# KiCad board MuxPi.kicad_pcb (continued)
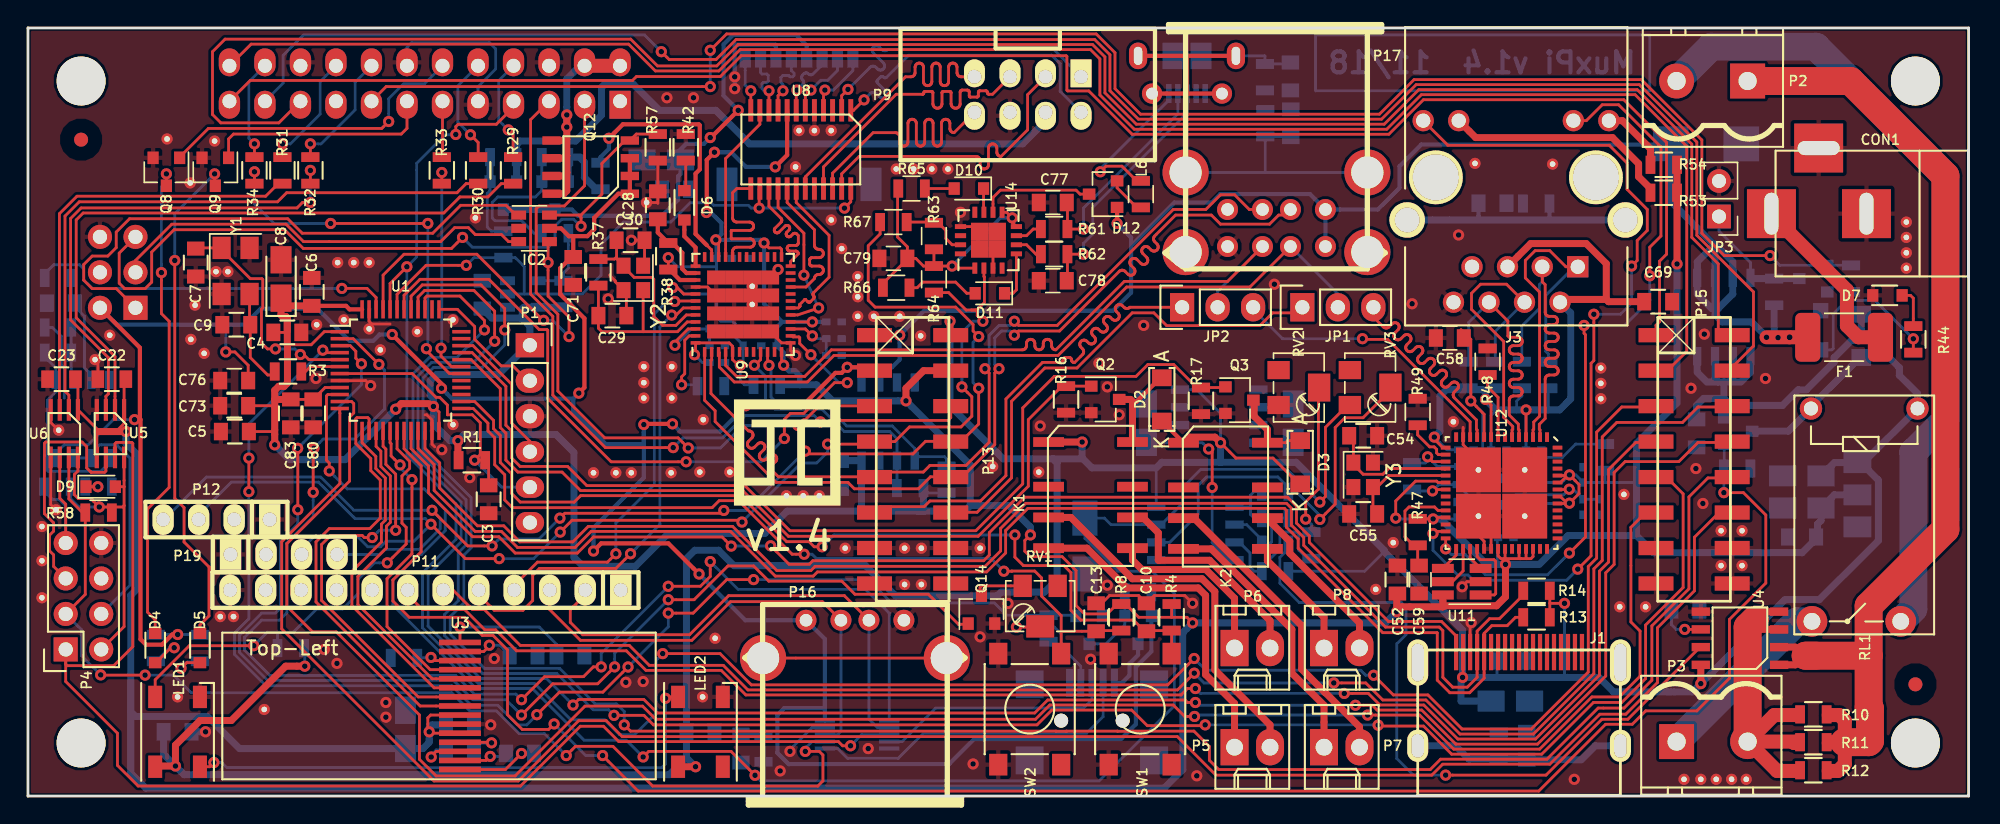
[diagram p0: board, top side]
## Footprints (pads in the part's own frame, mm; a bottom-side part is the same pattern mirrored in y, then rotated) (continued)
  rect 1x1.288 smd: 49(-1.931,1.931) 49(-1.931,0.644) 49(-1.931,-0.644) 49(-1.931,-1.931) 49(-0.644,1.931) 49(-0.644,0.644) 49(-0.644,-0.644) 49(-0.644,-1.931) 49(0.644,1.931) 49(0.644,0.644) 49(0.644,-0.644) 49(0.644,-1.931) 49(1.931,1.931) 49(1.931,0.644) 49(1.931,-0.644) 49(1.931,-1.931)
QFN_56
  rect 6.62x6.62 smd: (0,0)
  rect 0.69x0.28 smd: 1(-4,3.25) 2(-4,2.75) 3(-4,2.25) 4(-4,1.75) 5(-4,1.25) 6(-4,0.75) 7(-4,0.25) 8(-4,-0.25) 9(-4,-0.75) 10(-4,-1.25) 11(-4,-1.75) 12(-4,-2.25) 13(-4,-2.75) 14(-4,-3.25) 29(4,-3.25) 30(4,-2.75) 31(4,-2.25) 32(4,-1.75) 33(4,-1.25) 34(4,-0.75) 35(4,-0.25) 36(4,0.25) 37(4,0.75) 38(4,1.25) 39(4,1.75) 40(4,2.25) 41(4,2.75) 42(4,3.25)
  rect 0.28x0.69 smd: 15(-3.25,-4) 16(-2.75,-4) 17(-2.25,-4) 18(-1.75,-4) 19(-1.25,-4) 20(-0.75,-4) 21(-0.25,-4) 22(0.25,-4) 23(0.75,-4) 24(1.25,-4) 25(1.75,-4) 26(2.25,-4) 27(2.75,-4) 28(3.25,-4) 43(3.25,4) 44(2.75,4) 45(2.25,4) 46(1.75,4) 47(1.25,4) 48(0.75,4) 49(0.25,4) 50(-0.25,4) 51(-0.75,4) 52(-1.25,4) 53(-1.75,4) 54(-2.25,4) 55(-2.75,4) 56(-3.25,4)
  round 1.07 hole 0.4: 57(-1.655,1.655) 57(-1.655,-1.655) 57(1.655,1.655) 57(1.655,-1.655)
  rect 3.21x3.21 smd: 57(-1.655,1.655) 57(-1.655,-1.655) 57(1.655,1.655) 57(1.655,-1.655)
R_0805
  rect 0.7x1.3 smd: 1(-0.95,0) 2(0.95,0)
Relay_SPST-NO_FUJITSU-JV
  round 1.6 hole 1: 1(0,0) 4(0,7.62)
  round 2.2 hole 1.2: 2(15.24,0.07) 3(15.24,6.42)
RJ45_TRAFO_LEDS
  rect 1.524x1.524 hole 1.016: 1(0,0)
  round 1.524 hole 1.016: 2(1.27,2.54) 3(2.54,0) 4(3.81,2.54) 5(5.025,0) 6(6.35,2.54) 7(7.565,0) 8(8.89,2.54) GA(8.515,-10.46) GK(11.055,-10.46) YA(-2.225,-10.46) YK(0.315,-10.46)
  round 2.54 hole 1.778: 13(-3.4,-3.35) 13(12.2,-3.35)
  round 3.851 hole 3.302: Hole(-1.3,-6.4) Hole(10.15,-6.4)
Socket_Strip_Straight_1x03
  rect 1.727x2.032 hole 1.016: 1(0,0)
  oval 1.727x2.032 hole 1.016: 2(2.54,0) 3(5.08,0)
Socket_Strip_Straight_2x03
  rect 1.727x1.727 hole 1.016: 1(0,0)
  oval 1.727x1.727 hole 1.016: 2(0,-2.54) 3(2.54,0) 4(2.54,-2.54) 5(5.08,0) 6(5.08,-2.54)
Socket_Strip_Straight_2x04
  rect 1.727x1.727 hole 1.016: 1(0,0)
  oval 1.727x1.727 hole 1.016: 2(0,-2.54) 3(2.54,0) 4(2.54,-2.54) 5(5.08,0) 6(5.08,-2.54) 7(7.62,0) 8(7.62,-2.54)
SOIC-8
  rect 0.6x1.31 smd: 1(-1.905,-2.8) 2(-0.635,-2.8) 3(0.635,-2.8) 4(1.905,-2.8) 5(1.905,2.8) 6(0.635,2.8) 7(-0.635,2.8) 8(-1.905,2.8)
SOT-23
  rect 0.9x0.8 smd: 1(-1,0.95) 2(-1,-0.95) 3(1,0)
SOT-23-5
  rect 1.06x0.65 smd: 1(-1.1,0.95) 2(-1.1,0) 3(-1.1,-0.95) 4(1.1,-0.95) 5(1.1,0.95)
SOT-23-6
  rect 1.06x0.65 smd: 1(-1.1,0.95) 2(-1.1,0) 3(-1.1,-0.95) 4(1.1,-0.95) 5(1.1,0) 6(1.1,0.95)
SOT-23-6_Handsoldering
  rect 1.56x0.65 smd: 1(-1.35,0.95) 2(-1.35,0) 3(-1.35,-0.95) 4(1.35,-0.95) 5(1.35,0) 6(1.35,0.95)
SOT-223
  rect 2x1.5 smd: 1(-3.15,2.3) 2(-3.15,0) 3(-3.15,-2.3)
  rect 2x3.8 smd: 4(3.15,0)
SSOP-8
  rect 0.3x1.55 smd: 1(-0.975,-1.7) 2(-0.325,-1.7) 3(0.325,-1.7) 4(0.975,-1.7) 5(0.975,1.7) 6(0.325,1.7) 7(-0.325,1.7) 8(-0.975,1.7)
Sub_SMA
  rect 1.2x1.4 smd: 1(-1.55,0) 2(1.55,0)
SW_SPST_PTS645
  rect 1.55x1.3 smd: 1(-3.975,2.25) 1(3.975,2.25) 2(-3.975,-2.25) 2(3.975,-2.25)
Tantalum_Case-A_EIA-3216-18_Reflow
  rect 1.95x1.5 smd: 1(-1.375,0) 2(1.375,0)
Tantalum_Case-C_EIA-6032-28_Reflow
  rect 2.55x2.5 smd: 1(-2.525,0) 2(2.525,0)
TerminalBlock_XY2500V-D(5.08)
  rect 2.5x2.5 hole 1.3: 1(0,0)
  round 2.5 hole 1.3: 2(5.08,0)
TSSOP-24
  rect 0.35x1.6 smd: 1(-3.575,-2.8) 2(-2.925,-2.8) 3(-2.275,-2.8) 4(-1.625,-2.8) 5(-0.975,-2.8) 6(-0.325,-2.8) 7(0.325,-2.8) 8(0.975,-2.8) 9(1.625,-2.8) 10(2.275,-2.8) 11(2.925,-2.8) 12(3.575,-2.8) 13(3.575,2.8) 14(2.925,2.8) 15(2.275,2.8) 16(1.625,2.8) 17(0.975,2.8) 18(0.325,2.8) 19(-0.325,2.8) 20(-0.975,2.8) 21(-1.625,2.8) 22(-2.275,2.8) 23(-2.925,2.8) 24(-3.575,2.8)
USB_Mini-B_Lumberg_2486_01_Horizontal
  round 1 hole 1 unplated: (-2.2,0) (2.2,0)
  rect 0.5x2 smd: 1(-1.6,2.7) 2(-0.8,2.7) 3(0,2.7) 4(0.8,2.7) 5(1.6,2.7)
  rect 2x2 smd: 6(-4.45,-2.85) 6(-4.45,2.6) 6(4.45,-2.85) 6(4.45,2.6)
usd-attend
  rect 0.8x1.3 smd: 1(0,0) 2(-1.1,0) 3(-2.2,0) 4(-3.3,0) 5(-4.4,0) 6(-5.5,0) 7(-6.6,0) 8(-7.7,0)
  rect 1.5x2.4 smd: 9(-9,9) 9(1.3,9)
vasch_strip_4x2
  rect 1.5x2 hole 1: 1(-3.81,-1.27)
  oval 1.5x2 hole 1: 2(-3.81,1.27) 3(-1.27,-1.27) 4(-1.27,1.27) 5(1.27,-1.27) 6(1.27,1.27) 7(3.81,-1.27) 8(3.81,1.27)
VIA_0408
  round 0.8 hole 0.4: 1(0,0)

## Nets
+3.3VA: C61.1 C63.1 C65.1 C69.1 J3.2 J3.5 L5.2 R50.1 R51.1 R52.1 R55.1 U12.4 U12.9 U12.15
+3V3: C4.1 C5.1 C6.1 C8.1 C22.1 C23.1 C24.1 C36.1 C38.1 C40.1 C42.1 C43.1 C44.1 C50.1 C51.1 C52.1 C62.1 C64.1 C66.1 C67.1 C68.1 C73.1 C74.1 C75.1 C80.1 C83.1 IC1.8 L2.1 L5.1 P1.1 P13.4 R1.1 R4.1 R8.1 R18.1 R38.1 R40.1 R41.1 R47.1 R53.2 R54.2 U1.1 U1.9 U1.24 U1.48 U3.5 U3.7 U5.1 U5.5 U6.1 U7.5 U8.8 U9.12 U9.16 U9.25 U9.34 U9.39 U10.2 U11.6 U12.20 U12.25 U12.35 U12.36 U12.38 U12.39 U12.40 U12.48 U12.49 U12.51 U12.52
+5V: C47.1 C71.1 C76.1 D8.1 D12.1 F1.1 IC2.5 P13.1 P13.3 P16.1 P17.1 P17.5 P18.2 Q6.2 Q11.1 Q11.2 Q11.3 Q12.1 Q12.2 Q12.3 R25.1 R28.1 R36.1 R44.1 R46.1 U2.8 U13.10
/DUT Power Control/-VDD: C82.2 U15.4 U16.5
/Lthor/VBUS: J5.1 Q6.3
/SDMux/VDD_DUT: P9.4 Q5.2 R20.2
GND: C1.2 C2.2 C3.2 C4.2 C5.2 C6.2 C7.2 C8.2 C9.2 C10.2 C11.2 C12.2 C13.2 C18.1 C19.2 C20.2 C21.2 C22.2 C23.2 C24.2 C25.2 C26.2 C27.2 C28.2 C29.2 C30.2 C31.2 C32.2 C33.2 C34.2 C35.2 C36.2 C37.2 C38.2 C39.2 C40.2 C41.2 C42.2 C43.2 C44.2 C45.2 C46.2 C47.2 C48.2 C49.2 C50.2 C51.2 C52.2 C53.2 C54.2 C55.2 C56.2 C57.2 C58.2 C59.2 C60.2 C61.2 C62.2 C63.2 C64.2 C65.2 C66.2 C67.2 C68.2 C69.2 C70.2 C71.2 C72.2 C73.2 C74.2 C75.2 C76.2 C77.2 C78.2 C79.2 C80.2 C82.1 C83.2 CON1.2 CON1.3 D7.1 D8.2 D13.2 IC1.1 IC1.2 IC1.3 IC1.4 IC1.7 IC2.2 J1.17 J2.6 J3.8 J5.5 JP3.2 LED1.3 LED2.3 P1.3 P4.8 P9.6 P10.5 P11.12 P12.1 P13.13 P13.14 P13.15 P14.6 P14.9 P14.14 P14.20 P15.13 P15.14 P15.15 P15.16 P16.4 P17.4 P17.8 P18.6 P19.1 Q1.2 Q2.2 Q3.2 Q8.2 Q9.2 Q10.2 Q13.2 Q14.2 R5.2 R6.2 R9.2 R15.2 R16.2 R17.2 R22.2 R24.2 R35.2 R39.2 R42.2 R43.2 R45.2 R48.1 R49.1 R56.2 R57.2 R60.2 RV2.3 SW1.1 SW2.1 U1.8 U1.23 U1.47 U2.4 U3.6 U4.5 U5.4 U6.4 U6.5 U7.3 U8.5 U8.20 U9.13 U9.40 U9.49 U10.1 U11.2 U12.13 U12.33 U12.34 U12.57 U13.5 U13.9 U14.3 U14.13 U14.17 U15.5 U16.3 V1.1 V1#2.1 V1#3.1 V1#4.1 V1#5.1 V1#6.1 V1#7.1 V1#8.1 V1#9.1 V1#10.1 V1#11.1 V1#12.1 V1#13.1 V1#14.1 V1#15.1 V1#16.1 V1#17.1 V1#18.1 V1#19.1 V1#20.1 V1#21.1 V1#22.1 V1#23.1 V1#24.1 V1#25.1 V1#26.1 V1#27.1 V1#28.1 V1#29.1 V1#30.1 V1#31.1 V1#32.1 V1#33.1 V1#34.1 V1#35.1 V1#36.1 V1#37.1 V1#38.1 V1#39.1 V1#40.1 V1#41.1 V1#42.1 V1#43.1 V1#44.1 V1#45.1 V1#46.1 V1#47.1 V1#48.1 V1#49.1 V1#50.1 V1#51.1 V1#52.1 V1#53.1 V1#54.1 V1#55.1 V1#56.1 V1#57.1 V1#58.1 V1#59.1 V1#60.1 V1#61.1 V1#62.1 V1#63.1 V1#64.1 V1#65.1 V1#66.1 V1#67.1 V1#68.1 V1#69.1 V1#70.1 V1#71.1 V1#72.1 V1#73.1 V1#74.1 V1#75.1 V1#76.1 V1#77.1 V1#78.1 V1#79.1 V1#80.1 V1#81.1 V1#82.1 V1#83.1 V1#84.1 V1#85.1 V1#86.1 V1#87.1 V1#88.1 V1#89.1 V1#90.1 V1#91.1 V1#92.1 V1#93.1 V1#94.1 V1#95.1 V1#96.1 V1#97.1 V1#98.1 Y1.2 Y1.4 Y2.2 Y2.4 Y3.2 Y3.4
VDD: C1.1 C2.1 C19.1 C20.1 C48.1 C49.1 D1.1 D2.1 D3.1 J1.18 K1.1 K2.1 LED1.1 LED2.1 P13.2 Q11.5 Q11.6 Q11.7 Q11.8 R13.1 R14.1 R59.1 R71.1 RL1.4 U4.8 U10.3 U15.8 U16.8
/DUT Power Control/DUT_PWR_CURRENT: D13.1 RV3.3 U1.10 U15.7
/DUT Power Control/POWER_SW_ON: Q1.1 R9.1 U1.19
/DUT UART/DUT_RX_LS: P4.1 U5.7 U13.3
/DUT UART/DUT_TX_LS: P4.3 R58.2 U6.7 U13.7
/DUT UART/DUT_UART1_CTS: R32.1 U5.3
/DUT UART/DUT_UART1_RTS: R31.1 U6.3
/DUT UART/DUT_UART1_RX: R29.1 U5.2
/DUT UART/DUT_UART1_TX: R30.1 U6.2
/DUT UART/UART_PWM: R7.2 U1.46
/Dynamic Jumpers/DYPER_1: Q2.1 R16.1 U1.32
/Dynamic Jumpers/DYPER_2: Q3.1 R17.1 U1.33
/Ethernet/RX+: J3.4 R52.2 U12.6
/Ethernet/RX-: J3.6 R55.2 U12.5
/Ethernet/TX+: J3.1 R50.2 U12.3
/Ethernet/TX-: J3.3 R51.2 U12.2
/Ethernet/USB_ETH+: JP2.3 U12.12
/Ethernet/USB_ETH-: JP1.3 U12.11
/Hdmi/HDMI_HOT_PLUG: J1.19 U1.20
/Hdmi/HDMI_SCL: J1.15 R13.2 U1.21
/Hdmi/HDMI_SDA: J1.16 R14.2 U1.22
/Lthor/LTHOR_ID: Q14.1 U1.3
/Lthor/LTHOR_SWITCH: U1.2 U13.1
/Lthor/LTHOR_VBUS: Q13.1 R24.1 U1.4
/Lthor/USB_ID: J5.4 RV1.2
/Microcontroller/ADC1: P15.11 U1.11
/Microcontroller/ADC2: P15.12 U1.12
/Microcontroller/NRST: C3.1 P1.5 R1.2 U1.7
/Microcontroller/OLED_~{D/C}: U1.13 U3.10
/Microcontroller/OLED_~{RES}: U1.16 U3.9
/Microcontroller/PI_GPIO_1: P14.7 P15.5 U1.44
/Microcontroller/SOCKET_SEL: R76.2 U1.43 U7.2 U8.14 U8.24
/Microcontroller/SPI1_MOSI: U1.17 U3.12
/Microcontroller/SPI1_NSS: U1.14 U3.8
/Microcontroller/SPI1_SCK: U1.15 U3.11
/Microcontroller/ST_GPIO_1: P15.8 U1.39
/Microcontroller/ST_GPIO_2: P15.9 U1.40
/Microcontroller/ST_GPIO_3: P15.10 U1.41
/Microcontroller/ST_USART1_RX: R33.1 U1.31
/Microcontroller/ST_USART1_TX: R34.1 U1.30
/Microcontroller/SWCLK: P1.2 U1.37
/Microcontroller/SWDIO: P1.4 U1.34
/Microcontroller/TIM1_CH1: LED1.4 R59.2 U1.18
/Microcontroller/USER_BUTTON1: C10.1 R4.2 SW1.2 U1.26
/Microcontroller/USER_BUTTON2: C13.1 R8.2 SW2.2 U1.25
/Microcontroller/WD_RESET: IC2.4 U1.45
/Microcontroller/~{SD_CD_TS}: U1.42 U9.14
/NanoPi/I2C0_SCL: P13.6 P14.5
/NanoPi/I2C0_SDA: P13.5 P14.3
/NanoPi/PI_GPIO_2: P11.6 P15.6
/NanoPi/PI_GPIO_3: P11.7 P15.7
/NanoPi/PI_PWR: P14.2 P14.4 Q12.5 Q12.6 Q12.7 Q12.8
/NanoPi/PI_UART0_RX: P12.4 P13.8 P19.4 R67.1
/NanoPi/PI_UART0_TX: P12.3 P13.7 P19.3 R64.2 U14.2
/NanoPi/PI_UART1_CTS: P14.18 R31.2
/NanoPi/PI_UART1_RTS: P14.16 R32.2
/NanoPi/PI_UART1_RX: P14.10 R30.2
/NanoPi/PI_UART1_TX: P14.8 R29.2
/NanoPi/PI_UART2_RX: P14.22 R34.2
/NanoPi/PI_UART2_TX: P14.11 R33.2
/NanoPi/PWR_CTRL: P14.15 Q10.1 R45.1
/NanoPi/SPI0_CLK: P14.23 P15.1
/NanoPi/SPI0_CS: P14.24 P15.3
/NanoPi/SPI0_MISO: P14.21 P15.4
/NanoPi/SPI0_MOSI: P14.19 P15.2
/NanoPi/STATUS_LED1: P14.12 Q8.1
/NanoPi/STATUS_LED2: P14.13 Q9.1
/NanoPi/TPI_CLK: IC2.3 P18.3
/NanoPi/TPI_DATA: IC2.1 P18.1
/NanoPi/TPI_RST: IC2.6 P18.5 Q12.4 R57.1
/NanoPi/USB_A+: JP2.1 P13.11
/NanoPi/USB_A-: JP1.1 P13.12
/NanoPi/USB_B+: P13.9 P17.3 U9.2
/NanoPi/USB_B-: P13.10 P17.2 U9.1
/NanoPi/USB_DUT+: P11.2 P16.3 U13.2
/NanoPi/USB_DUT-: P11.3 P16.2 U13.8
/NanoPi/USB_HUB+: P11.4 U9.42
/NanoPi/USB_HUB-: P11.5 U9.43
/SDMux/CLK_DUT: P9.5 U8.21
/SDMux/CMD_DUT: P9.3 U8.23
/SDMux/DAT0_DUT: P9.7 U8.19
/SDMux/DAT1_DUT: P9.8 U8.22
/SDMux/DAT2_DUT: P9.1 U8.2
/SDMux/DAT3_DUT: P9.2 U8.1
/SDMux/SD_CLK_TS: U8.17 U9.21
/SDMux/SD_CMD_TS: U8.15 U9.24
/SDMux/SD_DAT0_TS: U8.18 U9.18
/SDMux/SD_DAT1_TS: U8.16 U9.17
/SDMux/SD_DAT2_TS: U8.11 U9.33
/SDMux/SD_DAT3_TS: U8.13 U9.32
/SDMux/SD_PWR_TS: L1.1 Q4.2 R19.2
/SDMux/USD_VDD: C25.1 C26.1 J2.4 Q4.3 Q5.3
/USB HUB & SD Reader/USB_A+: JP2.2 P17.7 U9.4
/USB HUB & SD Reader/USB_A-: JP1.2 P17.6 U9.3
Net-(C7-Pad1): C7.1 U1.5 Y1.1
Net-(C9-Pad1): C9.1 R3.1 Y1.3
Net-(C11-Pad1): C11.1 U3.15
Net-(C12-Pad1): C12.1 U3.14
Net-(C14-Pad1): C14.1 U3.2
Net-(C14-Pad2): C14.2 U3.1
Net-(C15-Pad1): C15.1 U3.4
Net-(C15-Pad2): C15.2 U3.3
Net-(C18-Pad2): C18.2 U4.6
Net-(C21-Pad1): C21.1 J1.SHLD R15.1
Net-(C27-Pad1): C27.1 P16.5 R35.1
Net-(C28-Pad1): C28.1 R38.2 U9.38
Net-(C29-Pad1): C29.1 R37.2 U9.45 Y2.1
Net-(C30-Pad1): C30.1 R37.1 U9.44 Y2.3
Net-(C31-Pad1): C31.1 C32.1 U9.46
Net-(C33-Pad1): C33.1 C34.1 U9.15
Net-(C35-Pad1): C35.1 C37.1 C39.1 C41.1 L2.2 U9.5 U9.41 U9.48
Net-(C45-Pad1): C45.1 P17.9 R43.1
Net-(C46-Pad1): C46.1 R7.1 U2.3
Net-(C53-Pad1): C53.1 C56.1 C57.1 L3.2 L4.2 U12.21 U12.50
Net-(C54-Pad1): C54.1 U12.18 Y3.1
Net-(C55-Pad1): C55.1 U12.19 Y3.3
Net-(C58-Pad1): C58.1 L3.1 U12.10
Net-(C59-Pad1): C59.1 R47.2 U12.24
Net-(C60-Pad1): C60.1 L4.1 U12.17
Net-(C70-Pad1): C70.1 J3.13 R56.1
Net-(C72-Pad1): C72.1 P10.6 R60.1
Net-(C77-Pad1): C77.1 P10.2 R61.2
Net-(C78-Pad1): C78.1 P10.3 R62.2
Net-(C79-Pad1): C79.1 R63.1 R64.1 R65.1 R66.1 U14.1 U14.8 U14.9
Net-(C81-Pad1): C81.1 U16.2
Net-(C81-Pad2): C81.2 U16.4
Net-(CON1-Pad1): CON1.1 F1.2
Net-(D1-Pad2): D1.2 Q1.3 RL1.1
Net-(D2-Pad2): D2.2 K1.8 Q2.3
Net-(D3-Pad2): D3.2 K2.8 Q3.3
Net-(D4-Pad1): D4.1 Q8.3
Net-(D4-Pad2): D4.2 R28.2
Net-(D5-Pad1): D5.1 Q9.3
Net-(D5-Pad2): D5.2 R36.2
Net-(D6-Pad1): D6.1 R42.1
Net-(D6-Pad2): D6.2 U9.37
Net-(D7-Pad2): D7.2 R44.2
Net-(D9-Pad1): D9.1 R6.1
Net-(D9-Pad2): D9.2 P4.2 R27.1 R58.1 U5.8 U6.8
Net-(D10-Pad1): D10.1 U14.11
Net-(D10-Pad2): D10.2 R65.2
Net-(D11-Pad1): D11.1 U14.5
Net-(D11-Pad2): D11.2 R66.2
Net-(D12-Pad2): D12.2 L6.2
Net-(D12-Pad3): D12.3 U14.10
Net-(IC1-Pad5): IC1.5 R40.2 U9.10
Net-(IC1-Pad6): IC1.6 R41.2 U9.9
Net-(J1-Pad1): J1.1
Net-(J1-Pad2): J1.2
Net-(J1-Pad3): J1.3
Net-(J1-Pad4): J1.4
Net-(J1-Pad5): J1.5
Net-(J1-Pad6): J1.6
Net-(J1-Pad7): J1.7
Net-(J1-Pad8): J1.8
Net-(J1-Pad9): J1.9
Net-(J1-Pad10): J1.10
Net-(J1-Pad11): J1.11
Net-(J1-Pad12): J1.12
Net-(J1-Pad13): J1.13
Net-(J1-Pad14): J1.14
Net-(J2-Pad1): J2.1 U8.4
Net-(J2-Pad2): J2.2 U8.6
Net-(J2-Pad3): J2.3 U8.7
Net-(J2-Pad5): J2.5 U8.9
Net-(J2-Pad7): J2.7 U8.10
Net-(J2-Pad8): J2.8 U8.12
Net-(J3-PadGA): J3.GA R53.1
Net-(J3-PadGK): J3.GK U12.27
Net-(J3-PadYA): J3.YA R54.1
Net-(J3-PadYK): J3.YK U12.28
Net-(J5-Pad2): J5.2 U13.6
Net-(J5-Pad3): J5.3 U13.4
Net-(J5-Pad6): J5.6
Net-(JP3-Pad1): JP3.1 Q10.3 Q11.4 R46.2
Net-(K1-Pad2): K1.2
Net-(K1-Pad3): K1.3 P5.2
Net-(K1-Pad4): K1.4 P5.1
Net-(K1-Pad5): K1.5 P6.1
Net-(K1-Pad6): K1.6 P6.2
Net-(K1-Pad7): K1.7
Net-(K2-Pad2): K2.2
Net-(K2-Pad3): K2.3 P7.2
Net-(K2-Pad4): K2.4 P7.1
Net-(K2-Pad5): K2.5 P8.1
Net-(K2-Pad6): K2.6 P8.2
Net-(K2-Pad7): K2.7
Net-(L1-Pad2): L1.2 U9.35
Net-(L6-Pad1): L6.1 P10.1
Net-(LED1-Pad2): LED1.2 LED2.4
Net-(LED2-Pad2): LED2.2
Net-(P1-Pad6): P1.6
Net-(P2-Pad1): P2.1 R10.2 R11.2 R12.2 U4.1 U4.2
Net-(P2-Pad2): P2.2 RL1.3
Net-(P3-Pad1): P3.1 RL1.2
Net-(P3-Pad2): P3.2 R10.1 R11.1 R12.1 U4.3 U4.4
Net-(P4-Pad4): P4.4 U2.6 U2.7
Net-(P4-Pad5): P4.5 U5.6
Net-(P4-Pad6): P4.6
Net-(P4-Pad7): P4.7 R27.2 U6.6
Net-(P10-Pad4): P10.4
Net-(P11-Pad1): P11.1
Net-(P11-Pad8): P11.8
Net-(P11-Pad9): P11.9
Net-(P11-Pad10): P11.10
Net-(P11-Pad11): P11.11
Net-(P12-Pad2): P12.2
Net-(P13-Pad16): P13.16
Net-(P14-Pad1): P14.1
Net-(P14-Pad17): P14.17
Net-(P18-Pad4): P18.4
Net-(P19-Pad2): P19.2
Net-(Q4-Pad1): Q4.1 R19.1 R75.1
Net-(Q5-Pad1): Q5.1 R20.1 R76.1
Net-(Q13-Pad3): Q6.1 Q13.3 R25.2
Net-(Q14-Pad3): Q14.3 RV1.3
Net-(R3-Pad2): R3.2 U1.6
Net-(R5-Pad1): R5.1 U3.13
Net-(R18-Pad2): R18.2 R75.2 U7.4
Net-(R22-Pad1): R22.1 R23.2 U2.2
Net-(R23-Pad1): R23.1 U2.1 U2.5
Net-(R39-Pad1): R39.1 U9.47
Net-(R48-Pad2): R48.2 U12.8
Net-(R49-Pad2): R49.2 U12.16
Net-(R61-Pad1): R61.1 U14.7
Net-(R62-Pad1): R62.1 U14.6
Net-(R63-Pad2): R63.2 R67.2 U14.15
Net-(R70-Pad1): R70.1 R74.2 U15.2
Net-(R70-Pad2): R70.2 U4.7
Net-(R71-Pad2): R71.2 R72.1 U15.3
Net-(R72-Pad2): R72.2 RV2.2
Net-(R74-Pad1): R74.1 R78.1 U15.1
Net-(R78-Pad2): R78.2 RV3.2 U15.6
Net-(RV1-Pad1): RV1.1
Net-(RV2-Pad1): RV2.1
Net-(RV3-Pad1): RV3.1
Net-(U1-Pad27): U1.27
Net-(U1-Pad28): U1.28
Net-(U1-Pad29): U1.29
Net-(U1-Pad35): U1.35
Net-(U1-Pad36): U1.36
Net-(U1-Pad38): U1.38
Net-(U8-Pad3): U8.3
Net-(U9-Pad6): U9.6
Net-(U9-Pad7): U9.7
Net-(U9-Pad8): U9.8
Net-(U9-Pad11): U9.11
Net-(U9-Pad19): U9.19
Net-(U9-Pad20): U9.20
Net-(U9-Pad22): U9.22
Net-(U9-Pad23): U9.23
Net-(U9-Pad26): U9.26
Net-(U9-Pad27): U9.27
Net-(U9-Pad28): U9.28
Net-(U9-Pad29): U9.29
Net-(U9-Pad30): U9.30
Net-(U9-Pad31): U9.31
Net-(U9-Pad36): U9.36
Net-(U11-Pad1): U11.1 U12.32
Net-(U11-Pad3): U11.3 U12.31
Net-(U11-Pad4): U11.4 U12.29
Net-(U11-Pad5): U11.5 U12.30
Net-(U12-Pad1): U12.1
Net-(U12-Pad7): U12.7
Net-(U12-Pad14): U12.14
Net-(U12-Pad22): U12.22
Net-(U12-Pad23): U12.23
Net-(U12-Pad26): U12.26
Net-(U12-Pad37): U12.37
Net-(U12-Pad41): U12.41
Net-(U12-Pad42): U12.42
Net-(U12-Pad43): U12.43
Net-(U12-Pad44): U12.44
Net-(U12-Pad45): U12.45
Net-(U12-Pad46): U12.46
Net-(U12-Pad47): U12.47
Net-(U12-Pad53): U12.53
Net-(U12-Pad54): U12.54
Net-(U12-Pad55): U12.55
Net-(U12-Pad56): U12.56
Net-(U14-Pad4): U14.4
Net-(U14-Pad12): U14.12
Net-(U14-Pad14): U14.14
Net-(U14-Pad16): U14.16
Net-(U16-Pad1): U16.1
Net-(U16-Pad6): U16.6
Net-(U16-Pad7): U16.7

Pads without a net: J2 9; J3 7 Hole; REF**#5 ~; REF**#6 ~; REF**#7 ~; REF**#8 ~; U7 1; U10 4

## Via types
v1: diameter 0.8, hole 0.4, Top to Bottom, 293 vias

## Routing (per net, layer and track width the routed paths; a pad name or vN(x,y) marks a point on that pad's centre or on a via; arc(x,y) is an arc through that point)
+3.3VA: length 62.5
  Top w0.2: U12.9 104.65,28 v1(104.25,28.4) ; U12.15 101.19,24.95 100.59,25.56 v1(100.59,25.7) ; U12.4 v1(107.15,27.65)
  Top w0.5: C69.1 113.05,35.4 112.89,35.56 ; J3.5 107.49,39.56 111.45,39.56 112.89,38.12 112.89,35.56 ; 112.89,35.56 109.78,35.56 J3.2
  Bottom w0.2: v1(107.15,27.65) C61.1 107.2,24.8 107.75,24.25 109.75,24.25 110.7,25.2 L5.2 ; 104.25,28.9 104.55,29.2 R52.1 ; 105,27.65 105,27.6 104.65,27.25 C63.1 ; 108.72,27.65 108.75,27.68 R50.1 ; C65.1 101.49,24.8 v1(100.59,25.7) ; 106.47,27.65 106.47,28.28 106.85,28.65 R51.1
  Bottom w0.5: J3.2 110.34,34.6 110.34,28.44 109.55,27.65 v1(107.15,27.65) 105,27.65 v1(104.25,28.4) 104.25,28.9 104.05,29.1 101.45,29.1 100.99,28.64 100.99,26.1 v1(100.59,25.7)
+3V3: length 516
  Top w0.2: U3.7 28.8,5.8 28.6,5.6 28.6,4.7 ; 28.6,4.7 v1(28.7,4.6) ; 28.6,4.7 28.8,4.5 U3.5 ; 105.64,17 105.65,17 U12.36 ; 105.64,17 106.81,17 ; 105.64,17 105.35,17 105.15,17.2 U12.35 ; U1.1 21.19,33.25 20.26,32.31 18.56,32.31 18.55,32.3 ; v1(110.25,20.97) 110.08,20.97 109.61,21.45 U12.49 ; v1(110.25,20.97) 110.94,21.66 110.94,22.31 110.66,22.59 110.66,22.6 v1(110.26,23) ; v1(110.25,20.97) 110.23,20.95 U12.48 ; 17.65,27.85 17.55,27.95 C73.1 ; U1.9 21.25,29.25 C80.1 C83.1 ; U9.25 53.9,39.15 53.8,39.25 53,39.25 v1(52.65,39.6) ; v1(49.2,39.83) 49.4,39.63 U9.34 ; C4.1 18.45,33.2 18.55,33.3 ; v1(71.7,18.7) 71.3,18.3 71.3,17.53 71.69,17.14 73.97,17.14 74.96,16.15 74.96,13.65 75.57,13.04 77.19,13.04 77.9,13.75 R8.1 78.5,13.75 79.45,12.8 81.8,12.8 ; 107.2,17 107.15,17 U12.39 ; 107.2,17 107.5,17 107.65,17.15 U12.40 ; 107.2,17 106.81,17 ; 28.67,28.1 28.8,28.1 v1(29,27.9) 29.4,27.5 U1.24 29.4,26.68 ; 81.8,12.8 R4.1 ; 81.8,12.8 82.9,12.8 v1(83.3,12.4) ; 106.81,17 106.7,17 106.65,17.05 U12.38 ; U12.20 100.86,22.45 100.75,22.55 99.25,22.55 97.83,21.13 v1(97.83,19.9) ; v1(45.8,38.55) R38.1 ; C23.1 3.57,29.68 U6.1 5.07,26.15 6.35,26.15 6.88,26.68 U5.1 6.88,29.72 C22.1 ; 110.33,22.9 110.26,22.97 v1(110.26,23) ; U12.52 110.21,22.95 v1(110.26,23) ; U9.12 53.9,31 v1(54.05,30.85) ; v1(110.26,23) 110.15,23 109.61,22.45 U12.51 ; 17.65,26.2 17.55,26.1 C5.1 ; 105.68,16.96 v1(105.68,16.59) ; R47.1 100.5,19.85 v1(100.5,19.84) 100.61,19.95 U12.25 ; 18.65,35.1 C8.1 ; U5.5 4.93,26.12 4.95,26.15 ; U9.16 v1(56.1,33.95)
  Top w0.3: U8.8 54.3,45.9 v1(53.45,45.05) ; 28.26,28.1 26.8,28.1 ; U9.39 46.63,36.95 45.88,37.7 R38.1 ; U1.48 23,34.85 22.75,35.1 C6.1 ; v1(105.68,16.59) 105.64,16.62 105.64,17 ; v1(49.1,46.1) 48.55,45.55 48.55,41.81 v1(48.53,41.79)
  Top w0.5: 28.67,28.1 26.7,28.1 v1(26.3,27.7) ; C8.1 18.1,34.45 18.22,34.33 18.46,34.33 18.55,34.24 ; 18.55,34.24 18.55,32.3 18.56,32.29 18.56,29.57 18.33,29.34 17.94,29.34 17.65,29.05 17.65,28.4 ; 18.55,34.24 18.55,33.3 ; U11.6 101.2,13.55 ; C6.1 18.65,35.1 ; 4.95,26.1 v1(7.01,26.1) ; C83.1 17.65,28.4 ; 101.2,13.55 101.27,13.62 105.04,13.62 105.68,14.27 v1(105.68,16.59) ; 101.2,13.55 98.25,13.55 v1(97.9,13.2) 97.9,14.45 C52.1 97.95,14.45 ; 17.65,28.4 v1(17.65,25.15) ; v1(62.8,28.3) 62.8,29.2 64.06,30.46 P13.4 ; R54.2 R53.2 v1(117.95,38.1) ; R1.1 30.75,24.1 v1(30.75,25.45)
  Bottom w0.2: C67.1 109.71,22.45 v1(110.26,23) 110.7,23 111.2,22.5 C68.1 112.8,22.45 ; v1(100.5,19.84) 97.89,19.84 v1(97.83,19.9) ; C42.1 49.25,37.9 ; 49.25,37.9 C43.1 ; 49.25,37.9 46.45,37.9 v1(45.8,38.55) ; 49.25,39.78 v1(49.2,39.83) ; R41.1 64.4,21.7 R40.1 ; C66.1 110.23,20.95 v1(110.25,20.97) ; 112.8,22.45 115,22.45 115.05,22.5 ; 112.8,22.45 L5.1 ; v1(105.68,16.59) 105.67,16.6 105.15,16.6 105.1,16.65 105.1,18.5 ; 101.07,19.84 102.24,19.84 102.33,19.93
  Bottom w0.3: 53.95,33.95 52.65,35.25 C40.1 v1(52.65,39.6) 52.42,39.83 v1(49.2,39.83) 49.6,40.23 49.6,41.03 48.85,41.79 v1(48.53,41.79) ; 53.95,33.95 53.55,33.55 C38.1 54.05,31.75 v1(54.05,30.85) ; 53.95,33.95 v1(56.1,33.95) C36.1 ; v1(53.45,45.05) 51.35,45.05 50.3,46.1 v1(49.1,46.1) ; 54.05,29.6 54.2,29.45 ; C42.1 49.25,39.78
  Bottom w0.4: v1(54.05,30.85) 54.45,30.45 54.85,30.45 55.2,30.1 55.2,29.45
  Bottom w0.5: 63.65,20.4 67,20.4 67.4,20.8 ; 63.65,20.4 60.7,20.4 ; 63.65,20.4 64.1,20.4 64.05,20.45 R41.1 ; v1(117.95,38.1) 117.95,28.15 115.05,25.25 ; 114.85,18.65 115.05,18.85 115.05,25.25 ; 114.85,18.65 115.05,18.65 116.28,17.43 126.9,17.43 128,18.53 128,19.47 128.25,19.72 C51.1 129.2,21.57 U10.2 ; 114.85,18.65 110.15,18.65 108.09,16.59 v1(105.68,16.59) 104.32,16.59 101.07,19.84 v1(100.5,19.84) ; 60.7,20.4 54.3,20.4 52.7,18.8 45.8,18.8 43.45,16.45 39.7,16.45 39.05,17.1 39.05,24.6 37.76,25.89 31.19,25.89 v1(30.75,25.45) 30.18,25.45 29,26.63 v1(29,27.9) 29,28.47 28.77,28.7 28.77,29.73 29.22,30.18 33.65,30.18 35.75,32.28 P1.1 35.9,33.64 35.32,34.22 35.19,34.22 ; 60.7,20.4 59.62,20.4 IC1.8 58.12,24.02 C44.1 ; 7.35,6.05 7.35,1.65 8.43,0.57 81.27,0.57 82.6,1.9 82.6,11.7 v1(83.3,12.4) 97.1,12.4 v1(97.9,13.2) ; 7.35,6.05 7.35,14.37 7.85,14.87 7.85,24.42 7.01,25.26 v1(7.01,26.1) ; 7.35,6.05 7.7,5.7 12.83,5.7 15.13,3.4 C75.1 28.25,3.4 28.7,3.85 v1(28.7,4.6) 28.7,4.9 28.9,5.1 C74.1 ; v1(71.7,18.7) 71.7,19.27 70.17,20.8 67.4,20.8 ; 35.19,34.22 35.35,34.38 35.35,34.88 35.47,35 U7.5 R18.1 ; 35.19,34.22 33.18,34.22 C24.1 ; 54.2,29.45 56.4,29.45 57.55,28.3 v1(62.8,28.3) 67.4,23.7 67.4,20.8 ; v1(17.65,25.15) 18.71,24.09 22.69,24.09 v1(26.3,27.7) ; 115.05,25.25 115.05,22.9
+5V: length 341.4
  Top w0.2: v1(7.62,26.95) 7.96,26.95 8,27 ; v1(14.15,31.8) 14.8,31.8 15.75,30.85 C76.1 ; R44.1 v1(134.85,32.74) ; Q12.2 Q12.3
  Top w0.3: P18.2 8,32.11 8,27 8.05,26.95 8.05,11.23 8.44,10.84 9.59,10.84 10.32,11.57 v1(10.71,11.57) ; 39,40.09 40.01,40.09 40.5,40.58 40.5,41.4 42.23,43.13 Q12.1 Q12.3 ; 39,40.09 C71.1 38.88,38.6 38.06,37.79 38.06,35.94 39.8,34.2 39.8,29.25 v1(39.4,28.85) ; 39,40.09 38.69,40.09 38.13,40.65 IC2.5 ; P13.1 v1(62.35,33) ; v1(29.58,29.2) 29.58,29.52 v1(26.05,33.05) ; D12.1 v1(77.9,41) ; 39.35,38.6 39.23,38.6 ; v1(51.35,27.95) 51.45,27.85 55.3,27.85 57.75,30.3 58.2,30.3 v1(58.6,30.7) 60.31,30.7 P13.3 ; v1(46.1,26.65) 44.1,26.65 v1(44.05,26.6) ; v1(40.45,17.54) 41,18.1 45.8,18.1 v1(48,15.9)
  Top w1: F1.1 v1(124.35,32.85)
  Bottom w0.2: v1(14.15,31.8) 14.15,33.7 14.1,33.75 ; v1(7.62,26.95) 6.1,26.95 4.3,25.15 2.59,25.15 2,24.56 2,24.2 ; 12.3,11.5 12.23,11.57 v1(10.71,11.57) 9.17,11.57 R28.1 ; D8.1 129.03,31.95 129.12,32.05 129.12,34.53 130.09,35.49 132.1,35.49 v1(134.85,32.74)
  Bottom w0.3: P17.1 96.55,42 98.1,43.55 98.1,45.1 99.65,46.65 117.35,46.65 ; P17.1 91.7,43.1 85.27,43.1 84.67,42.5 82,42.5 78.9,39.4 ; P17.1 P17.5 ; v1(48,15.9) 51.31,12.59 P16.1 57,11.24 57,6.3 ; 78.9,39.4 78.9,36.05 77.6,34.75 64.1,34.75 v1(62.35,33) 62.35,31.25 61.8,30.7 v1(58.6,30.7) ; 78.9,39.4 78.9,40 v1(77.9,41) ; v1(51.35,27.95) 49.5,26.1 46.65,26.1 v1(46.1,26.65) ; 80.35,14.3 R25.1 Q6.2 80.35,10.36 79.24,9.25 79.24,5.14 78.19,4.09 67.69,4.09 65.89,2.29 54.41,2.29 53.6,3.1 53.6,5.8 54.1,6.3 57,6.3 ; 57,6.3 U13.10 ; 44.05,26.03 44.05,25.2 41.32,25.2 39,27.52 39,28.45 ; 44.05,26.03 44.05,22.8 40.45,19.2 v1(40.45,17.54) ; 44.05,26.03 v1(44.05,26.6) ; P18.2 6.36,33.75 15.5,33.75 16.65,34.9 20.7,34.9 23,32.6 24.7,32.6 25.15,33.05 v1(26.05,33.05) ; 39,28.45 30.33,28.45 v1(29.58,29.2) ; 39,28.45 v1(39.4,28.85)
  Bottom w0.5: C47.1 117.5,42.57 120.65,39.43 120.65,39.35 ; 120.66,34.91 120.65,34.9 ; 120.66,34.91 120.43,34.91 119.4,35.94 Q11.1 119.4,37.46 119.4,37.46 119.4,38.25 120.65,39.5 120.7,39.5 ; 120.66,34.91 120.91,34.91 121.94,35.94 Q11.3 121.94,38.25 120.7,39.49 120.7,39.5 ; 120.66,34.91 120.66,39.47 120.7,39.5 ; D8.1 127.32,32.85 v1(126,32.85) ; R46.1 124.9,32.88 ; 124.9,32.88 126.15,32.88 ; 124.9,32.88 124.35,32.88 123.28,33.95 121.18,33.95 120.68,34.45 120.68,34.75
  vias: v1(125.18,32.82)
/DUT Power Control/-VDD: length 13.6
  Top w0.2: v1(84.7,22.1) 84.7,24.6 v1(84.45,24.85)
  Bottom w0.2: C82.2 80.03,25.29 U16.5 84,25.29 v1(84.45,24.85) ; U15.4 85.94,16.9 84.7,18.14 v1(84.7,22.1)
/Lthor/VBUS: length 3.8
  Bottom w0.3: Q6.3 79.4,10.1 78.78,9.48 78.78,8.63 78.25,8.1 J5.1
/SDMux/VDD_DUT: length 46.5
  Bottom w0.5: Q5.2 R20.2 34.95,46.65 35.2,46.9 39.16,46.9 41.02,48.76 41.02,50.74 41.23,50.95 43.32,50.95 45.17,49.1 49.2,49.1 51.6,46.7 71.15,46.7 72.78,48.33 P9.4
GND: length 86.2
  Top w0.2: v1(103.22,12.42) 103.15,12.35 J1.17 ; 4.98,31.18 5,31.16 C22.2 ; 42.8,34.7 C29.2 42.8,36.03 Y2.4 42,36.82 42,36.9 41.6,37.3 ; U14.17 69.03,38.88 U14.3 ; V1#98.1 1.62,20.88 U6.5 ; 28.4,27.3 28.52,27.3 28.9,26.92 U1.23 28.9,25.2 29.1,25 ; U14.13 67.72,40.78 U14.17 ; U12.57 103.75,24.06 102.65,25.16 U12.13 102.65,26.4 ; v1(102.58,14.98) 102.58,15.01 102.92,15.35 U11.2 ; v1(53.65,37.7) U9.49 ; 25.9,33.8 24.6,33.8 24.4,34 U1.47 ; 2.09,26.28 1.62,26.75 U6.4 ; U1.8 24.15,29.75 v1(24.51,29.39) ; U12.33 104.15,18.25 103.75,18.65 U12.57 104.65,19.14 U12.34 ; C13.2 76.8,13.8 77.36,14.36 79.44,14.36 C10.2 80.56,14.36 82.74,14.36 v1(83.3,13.8) ; U9.40 48.61,36.45 U9.49 ; V1#57.1 45,42.5 45.05,42.45 C28.2 R57.2 ; v1(43.16,39.8) C30.2 44.1,38.07 Y2.2 ; U9.49 53.9,32.45 U9.13 54.55,31.9 v1(54.9,31.55) ; 67.95,40.55 68.25,40.25
  Bottom w0.2: v1(54.5,3.2) 54.5,3.33 56.07,4.9 U13.9 ; 90.25,50.35 90.3,50.4 ; 2.6,28.5 2.6,30.68 2.39,30.89 2.39,32.91 1.75,33.55 R22.2 ; U12.57 103.75,20.3 102.99,21.05 C62.2 ; P14.14 27.11,53.61 27.45,53.95 33,53.95 33.45,53.5 33.45,52.06 32.2,50.81 32.2,50.7 32.19,50.69 P14.9
  Bottom w0.3: v1(50.55,50.65) v1(50.55,51.5) 50.55,53.73 50.62,53.8 53.45,53.8 53.5,53.75 J2.6 ; 49.8,29.45 49.8,29.15 ; 90.2,50.3 90.3,50.4
  Bottom w0.5: C2.2 v1(12.7,4.6)
  Bottom w1: 127.78,46.7 CON1.3
  vias: v1(20.6,29.9) v1(21.2,10.5) v1(22.1,9.5) v1(25.6,6.7) v1(25.6,5.65) v1(29.6,24.8) v1(31.6,22.8) v1(33.1,5.1) v1(33.35,9.85) v1(41.5,35.6) v1(42.76,8.14) v1(44,8.2) v1(45.7,50) v1(47.6,50) v1(53.8,1.8) v1(60.1,3.4) v1(66.7,41.8) v1(67.6,2.3) v1(68.1,11.4) v1(70.1,13.79) v1(72.4,26.5) v1(76,9.8) v1(76.6,31) v1(77.2,29.3) v1(77.2,15.1) v1(78.05,27.3) v1(79.8,33.7) v1(83.6,1.45) v1(89.15,36.65) v1(99,35.25) v1(102.33,40.18) v1(110.6,1.2) v1(118.95,29.2) v1(119.3,23.45) v1(119.8,20.95) v1(119.9,33.07) v1(124.28,29.9)
VDD: length 300.2
  Top w0.2: 108.85,13.8 R13.1 ; 108.85,13.8 v1(109.9,13.8) ; 108.85,13.8 R14.1 ; v1(102.61,8.5) 102.65,8.54 J1.18 ; D3.1 90.9,22.35 89.05,24.2 86.4,24.2 v1(85.3,25.3)
  Top w0.3: D2.1 K2.1
  Top w0.5: LED1.1 9.15,2.15 v1(10.55,2.15) 10.55,3.65 12.31,5.41 14.54,5.41 18.43,9.3 v1(19.8,9.3) ; v1(75.4,25.35) K1.1 ; K2.1 83.05,25.7 84.9,25.7 v1(85.3,25.3) ; v1(119.65,8.05) U4.8 ; P13.2 65.95,33.05 v1(65.95,34) ; v1(47.75,2.1) LED2.1
  Bottom w0.2: 97,17.5 95.6,16.1 R71.1 ; U15.8 80.7,23.5 ; 110.1,8.5 109.9,8.7 v1(109.9,13.8) ; v1(19.8,9.3) 19.8,10.55 R59.1 ; v1(85.3,25.3) 85.3,27.4 83.59,29.1 U16.8 ; C19.1 105.08,8.5
  Bottom w0.5: 131.12,33.4 131.12,33.33 ; 131.12,33.4 D1.1 ; 131.12,33.4 131.12,32.63 ; 47.1,2.75 v1(47.75,2.1) ; 47.1,2.75 C1.1 47.1,17 47.7,17.6 49.4,17.6 50.5,16.5 59.9,16.5 62.06,14.34 69.34,14.34 69.6,14.6 72.7,14.6 73.61,15.51 73.61,23.84 73.3,24.15 ; 47.1,2.75 45.88,1.53 11.17,1.53 v1(10.55,2.15) 9.7,3 C2.1 ; v1(65.95,34) 65.95,27.95 69.75,24.15 73.3,24.15 ; U10.3 130.1,23.88 ; U10.3 129.2,23.88 C49.1 ; U10.3 131.1,23.88 132.35,22.62 132.35,18.29 128.12,14.06 125.66,14.06 v1(119.65,8.05) 119.06,7.46 113.4,7.46 112.37,8.5 v1(102.61,8.5) ; U10.3 131.28,23.88 RL1.4 135.15,28.82 133.85,30.12 133.85,30.68 131.9,32.63 131.12,32.63 ; 121.3,28.47 121.8,27.97 125.5,27.97 126.61,29.09 127.2,29.09 129.19,31.07 129.19,31.39 130.43,32.63 131.12,32.63 ; 121.3,28.47 121.3,29.65 ; 121.3,28.47 119.85,28.47 119.35,27.97 C48.1 ; 85.3,23.9 81.1,23.9 80.7,23.5 76.1,23.5 75.45,24.15 ; 85.3,23.9 90.7,23.9 97,17.6 97,17.5 102.61,11.89 v1(102.61,8.5) ; 85.3,23.9 v1(85.3,25.3) ; 121.3,29.65 121.7,29.65 ; 121.3,29.65 120.9,29.65 ; 121.7,29.65 121.94,29.88 Q11.6 ; 121.7,29.65 122.51,29.65 123.21,30.34 Q11.5 ; v1(102.61,8.5) 102.5,8.39 102.5,6.8 C20.1 ; 73.3,24.15 75.45,24.15 ; 120.9,29.65 120.66,29.88 120.66,31.5 ; 120.9,29.65 120.09,29.65 119.4,30.34 Q11.8 ; 75.45,24.15 75.4,24.2 v1(75.4,25.35)
